# Altium PCB ADCS_PCB.PcbDoc (part 1 of 2)
Units mm, origin at the board's own origin, x right, y up, seen from the top; angles counter-clockwise.
Board outline 95.7 x 90 mm, 4 copper layers (Top Layer, Int1 (GND), Int2 (PWR), Bottom Layer), stack 1.57 mm thick; 108 components, 88 nets, 517 pads, 1075 vias.
Unrouted connection lines stored in the file: 4.
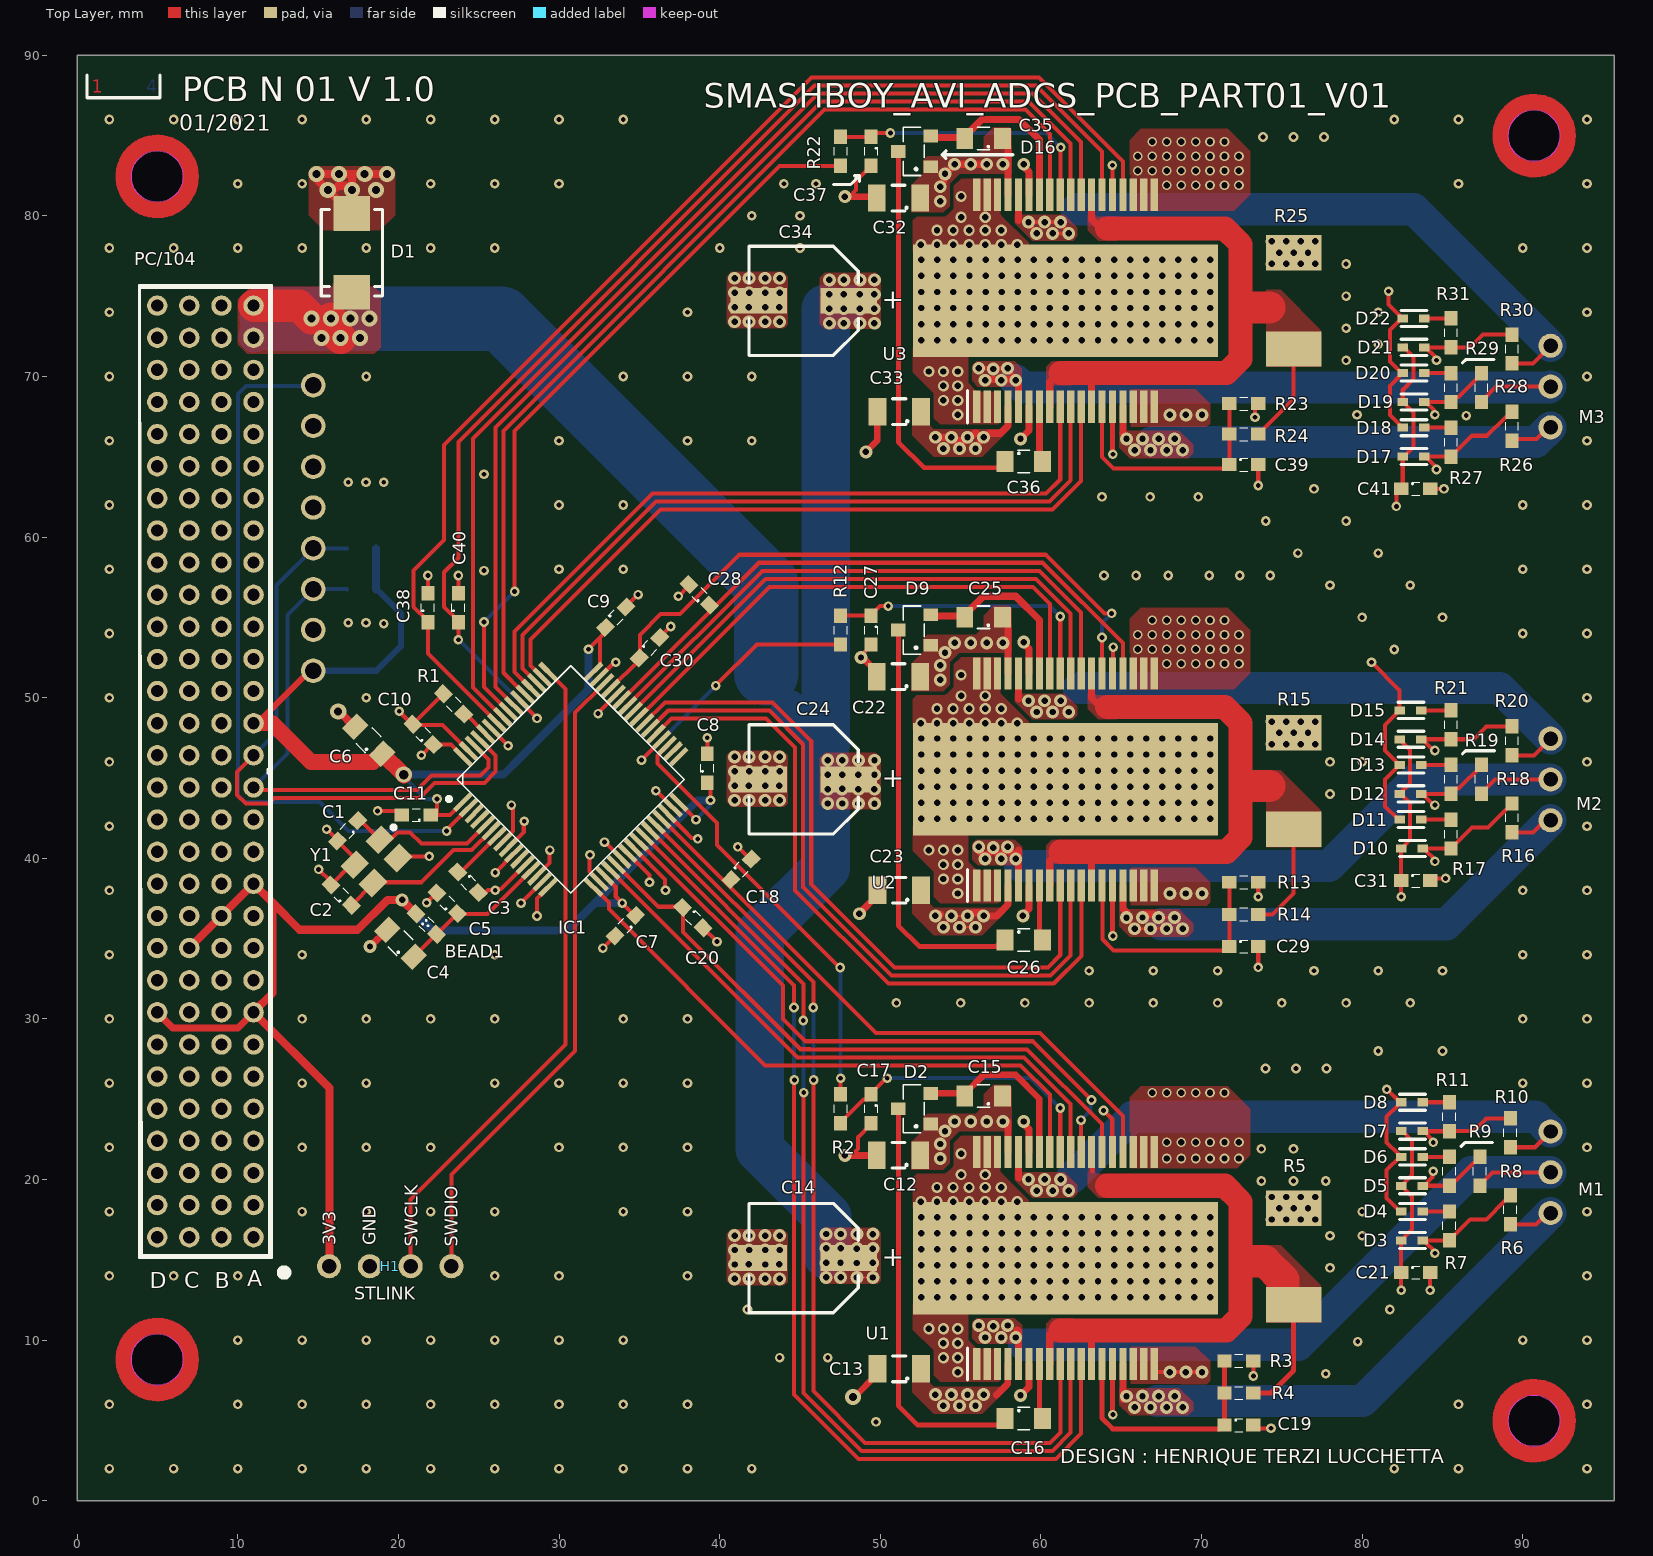
[diagram p0: Top Layer view]
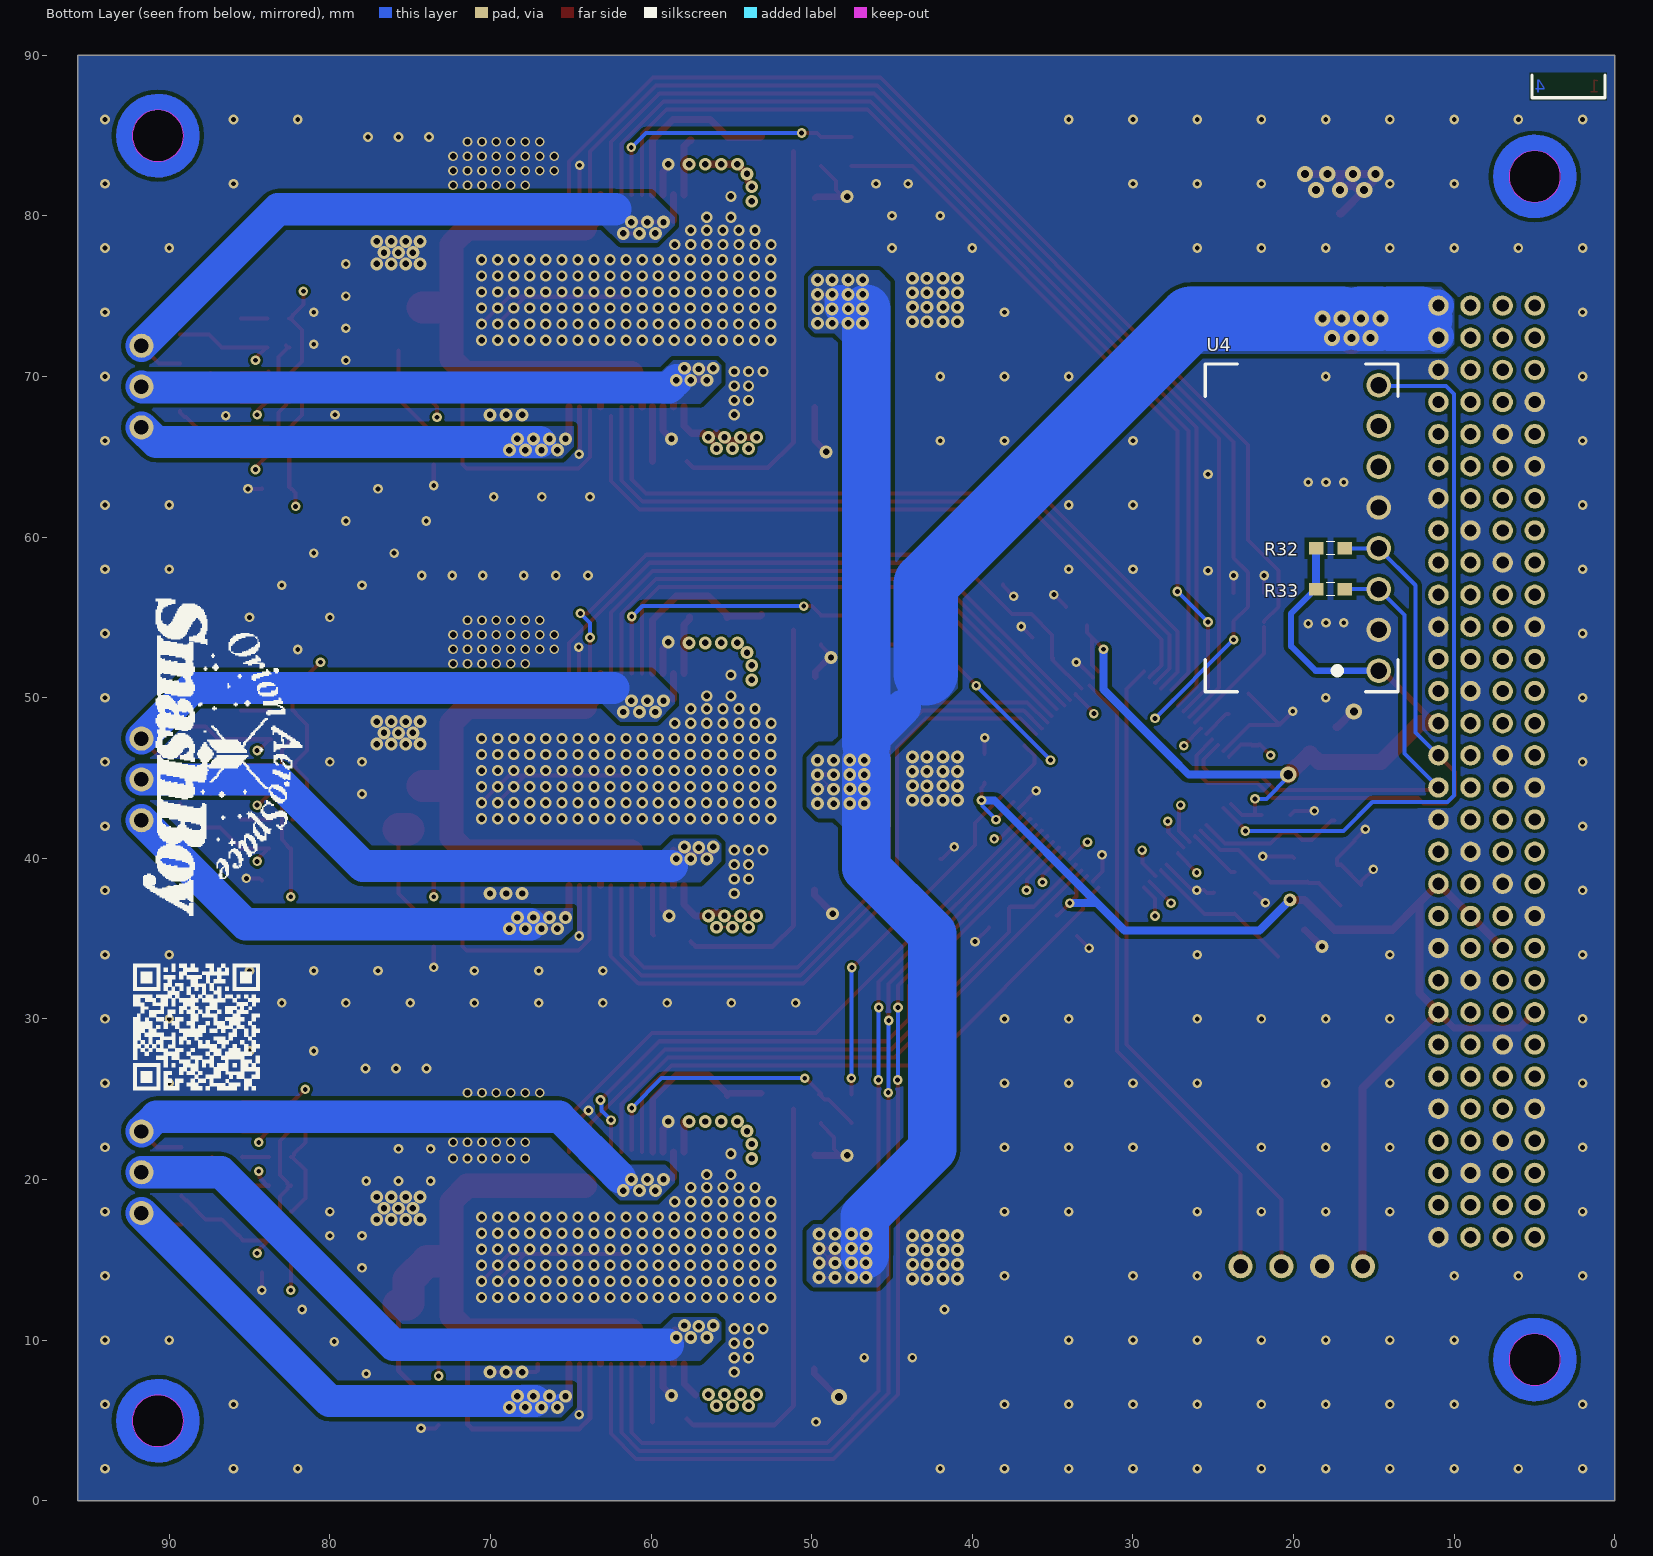
[diagram p1: Bottom Layer view, seen from below]
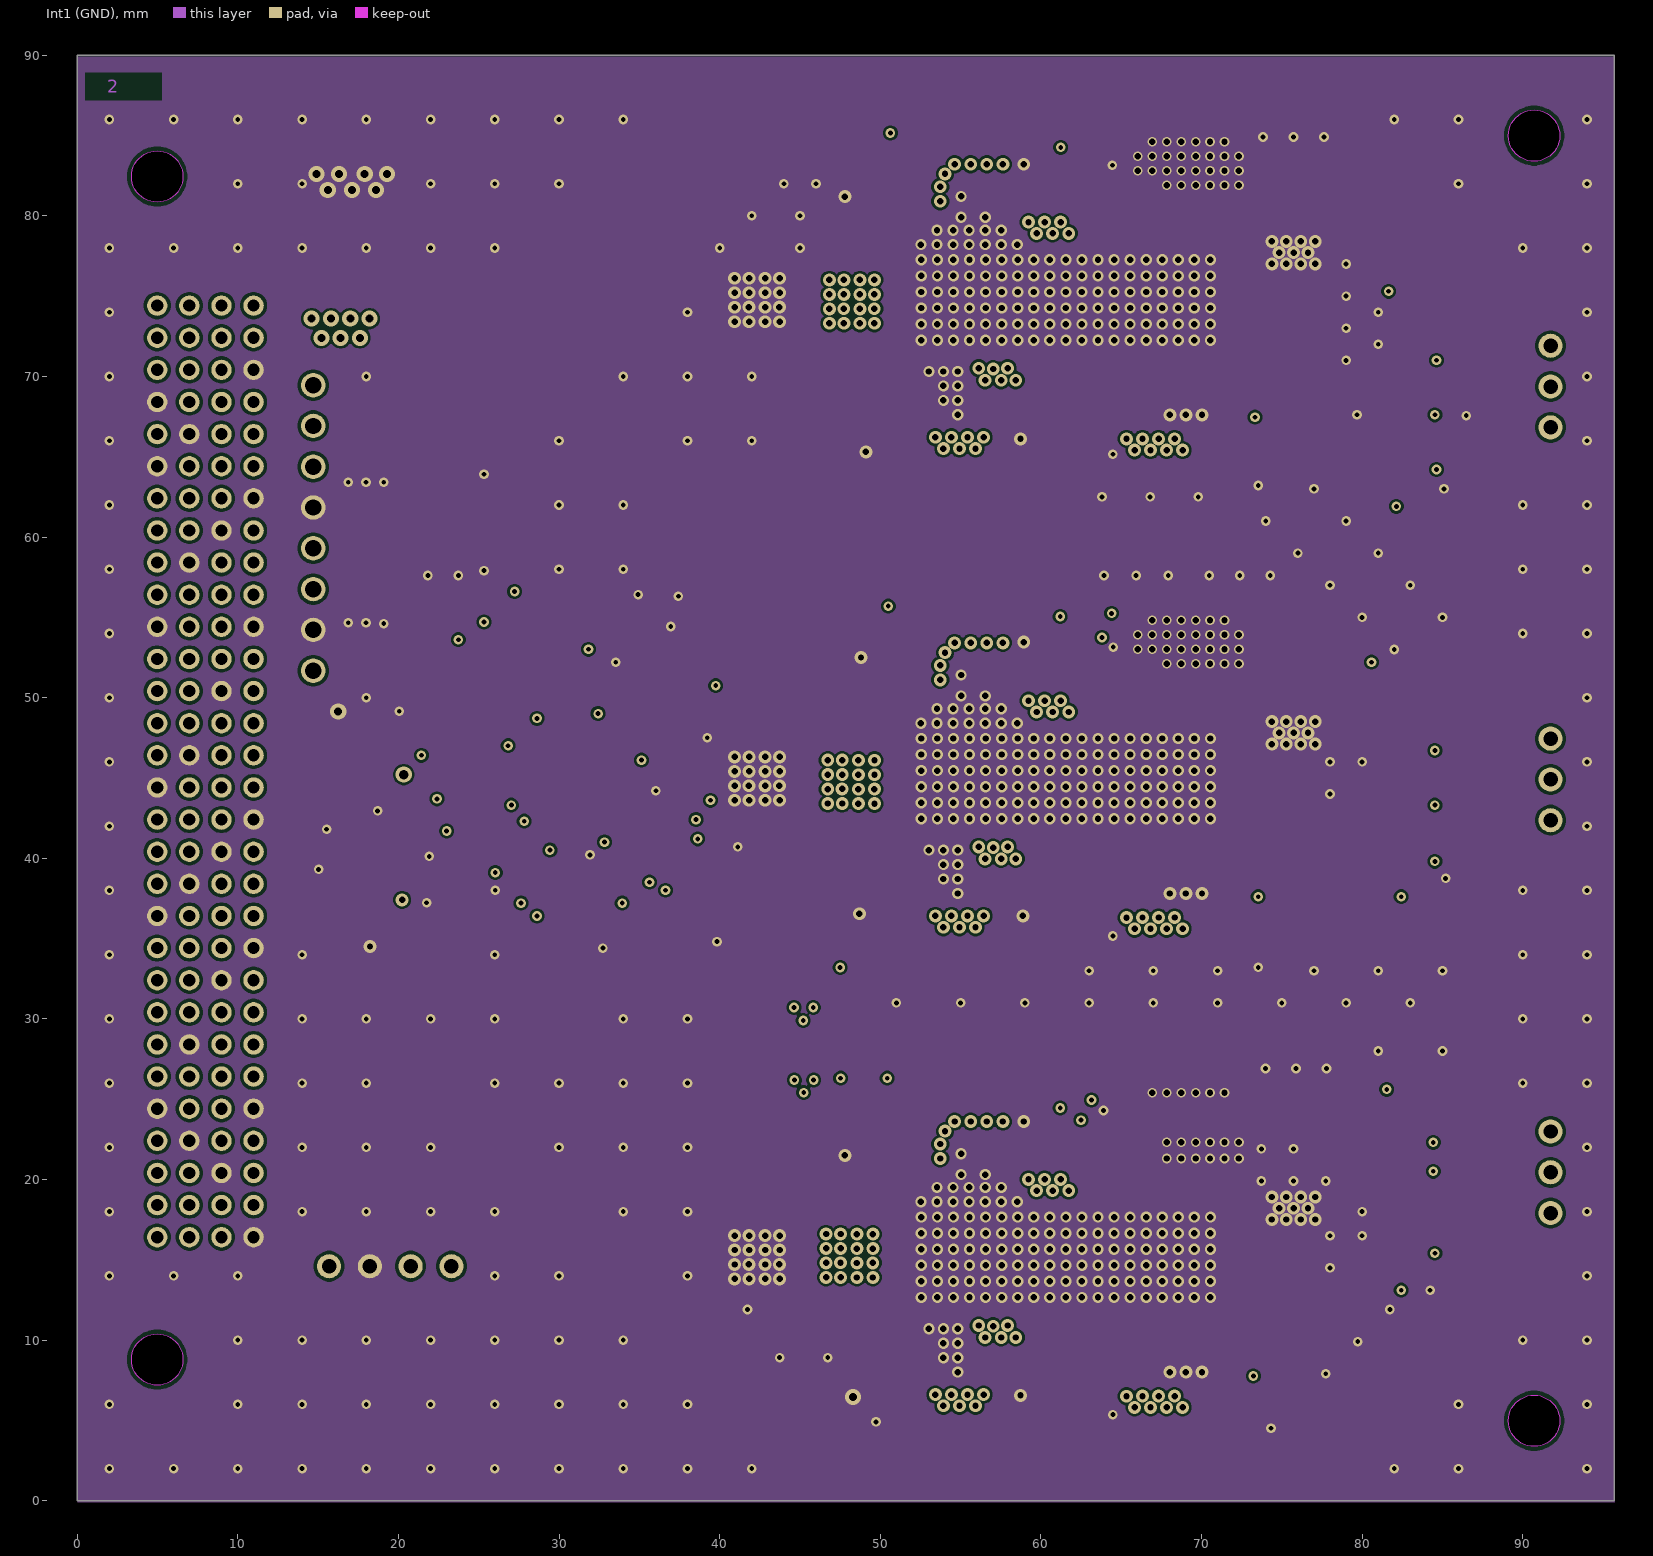
[diagram p2: Int1 (GND)]
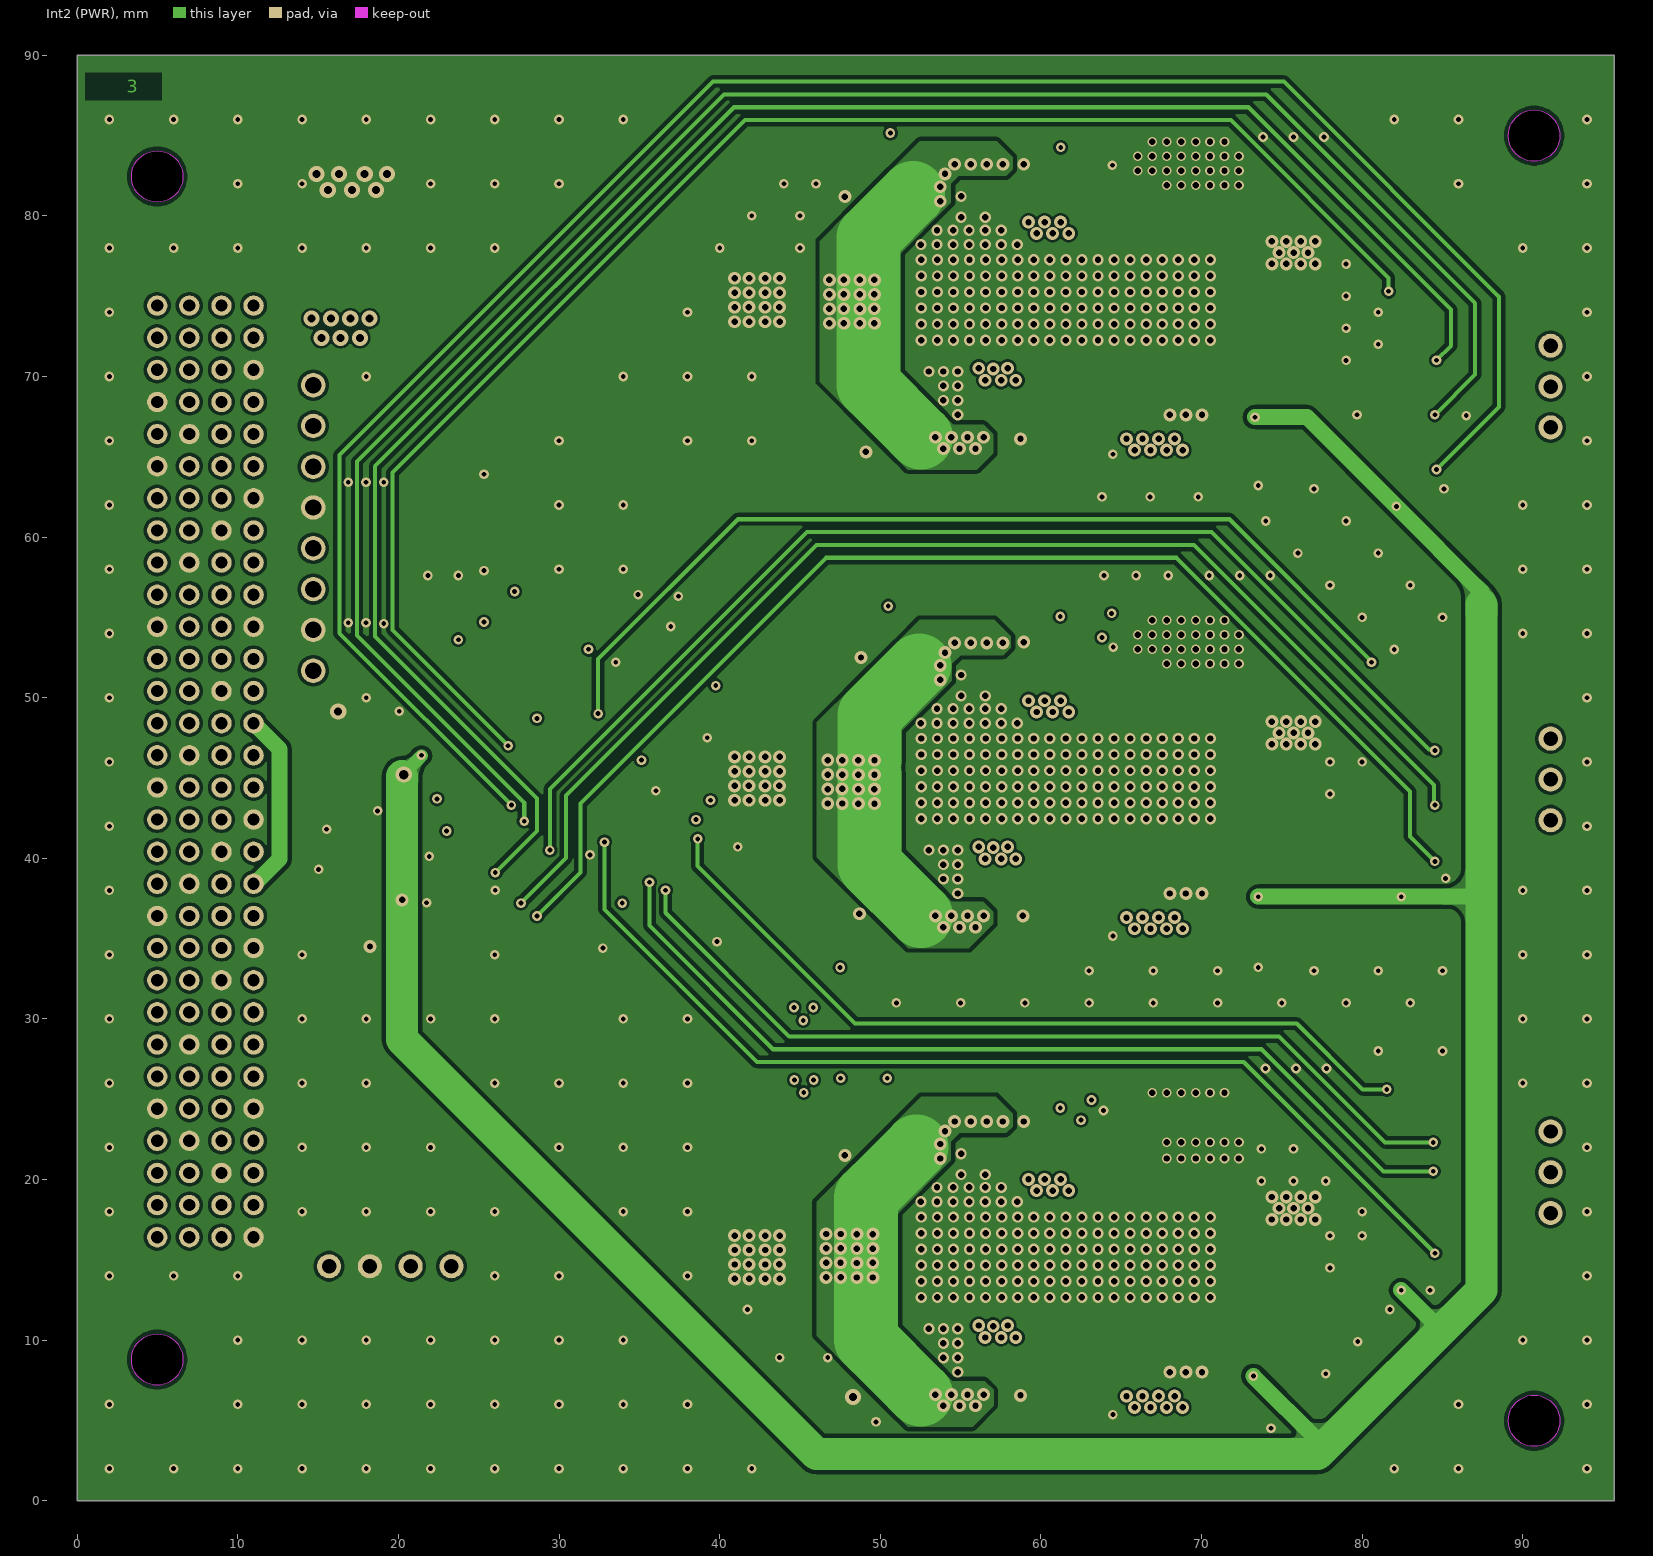
[diagram p3: Int2 (PWR)]

## Layer stack, top to bottom
Top Solder: solder mask 0.01, SM-001, Dk 4
Top Layer: signal copper 0.035
Dielectric 1: prepreg 0.2, PP-017, Dk 4.3
Int1 (GND): signal copper 0.0175
Dielectric 3: core 1.065, Core-039, Dk 4.8
Int2 (PWR): signal copper 0.0175
Dielectric 5: prepreg 0.2, PP-017, Dk 4.3
Bottom Layer: signal copper 0.035
Bottom Solder: solder mask 0.01, SM-001, Dk 4

## Board outline
0,0 95.7,0 95.7,90 0,90
cut-out: 89.11,4.98 cw(c90.71,4.98) 90.71,6.58 cw(c90.71,4.98) 92.31,4.98 cw(c90.71,4.98) 90.71,3.38 cw(c90.71,4.98)
cut-out: 89.11,84.99 cw(c90.71,84.99) 90.71,86.59 cw(c90.71,84.99) 92.31,84.99 cw(c90.71,84.99) 90.71,83.39 cw(c90.71,84.99)
cut-out: 3.38,82.45 cw(c4.98,82.45) 4.98,84.05 cw(c4.98,82.45) 6.58,82.45 cw(c4.98,82.45) 4.98,80.85 cw(c4.98,82.45)
cut-out: 3.38,8.79 cw(c4.98,8.79) 4.98,10.39 cw(c4.98,8.79) 6.58,8.79 cw(c4.98,8.79) 4.98,7.19 cw(c4.98,8.79)

## Design rules (kind name [scope] priority, off if disabled: settings)
Clearance Clearance_Defferents [All] p1: gap=0.254 ignorepadtopadclearanceinfootprint=FALSE except(0.1: Arc-Arc Arc-Track Track-Track; 0.11: Arc-THPad Arc-Via Track-THPad Track-Via; 0.127: SMDPad-SMDPad; 0.15: Via-Poly; 0.2: Arc-SMDPad Track-SMDPad THPad-Poly; 0.3: Via-Via; 0.5: SMDPad-THPad THPad-THPad)
DiffPairsRouting USB_DiffPairsRouting [InDifferentialPairClass('USB')] p1: maxlimit=0.254 minlimit=0.127 mostfreqgap=0.254 toplayer_maxgap=0.127 toplayer_prefgap=0.127 toplayer_minwidth=0.191 toplayer_maxwidth=0.191 toplayer_prefwidth=0.191 midlayer1_minwidth=0.381 midlayer1_maxwidth=0.381 midlayer1_prefwidth=0.381 midlayer2_minwidth=0.381 midlayer2_maxwidth=0.381 midlayer2_prefwidth=0.381 bottomlayer_maxgap=0.127 bottomlayer_prefgap=0.127 bottomlayer_minwidth=0.191 bottomlayer_maxwidth=0.191 bottomlayer_prefwidth=0.191 maxuncoupledlength=12.7
DiffPairsRouting CAN_DiffPairsRouting [InDifferentialPairClass('CAN_BUS')] p2: maxlimit=0.254 minlimit=0.169 mostfreqgap=0.254 toplayer_mingap=0.21 toplayer_maxgap=0.21 toplayer_prefgap=0.21 toplayer_minwidth=0.12 toplayer_maxwidth=0.12 toplayer_prefwidth=0.12 midlayer1_minwidth=0.381 midlayer1_maxwidth=0.381 midlayer1_prefwidth=0.381 midlayer2_minwidth=0.381 midlayer2_maxwidth=0.381 midlayer2_prefwidth=0.381 bottomlayer_mingap=0.21 bottomlayer_maxgap=0.21 bottomlayer_prefgap=0.21 bottomlayer_minwidth=0.12 bottomlayer_maxwidth=0.12 bottomlayer_prefwidth=0.12 maxuncoupledlength=12.7
HoleSize [All] p1: absolutevalues=TRUE maxlimit=6.3 minlimit=0.025 maxpercent=80.000 minpercent=20.000
HoleToHoleClearance [All] p1: gap=0.5 allowstackedmicrovias=TRUE
PlaneConnect [All] p1: planeconnectstyle=Direct reliefexpansion=0.508 reliefentries=4 reliefconductorwidth=0.254 reliefairgap=0.254
PolygonConnect [All] p1: connectstyle=Direct reliefconductorwidth=0.254 reliefentries=4 polygonreliefangle="45 Angle" airgapwidth=0.254
RoutingVias [All] p1: holewidth=0.4 width=0.8 viastyle="Through Hole" minholewidth=0.3 minwidth=0.6 maxholewidth=0.8 maxwidth=1.2
SolderMaskExpansion [All] p1: expansion=0.102 istentingtop=FALSE
Width [All] p1: maxlimit=5 minlimit=0.09 preferedwidth=0.127
26 further rules are at their usual default settings.

## Components (designator, comment, footprint, x,y, rotation, side; value= is the part's Value field where it differs from the comment)
BEAD1 "600R @ 100MHz" IND0603 21.73,35.91 r135 top
C1 "22pF" CAP0603_060 16.83,41.71 r225 top
C2 "22pF" CAP0603_060 16.43,37.71 r135 top
C3 "100nF" CAP0603_060 24.33,38.51 r315 top
C4 "1uF" CAP0805_085 20.13,34.71 r135 top
C5 "10nF" CAP0603_040 23.03,37.21 r135 top
C6 "4.7uF" CAP0805_125 18.15,47.35 r135 top
C7 "100nF" CAP0603_060 34.13,35.81 r225 top
C8 "100nF" CAP0603_060 39.23,45.61 r90 top
C9 "100nF" CAP0603_060 33.53,55.01 r45 top
C10 "100nF" CAP0603_060 21.53,47.71 r135 top
C11 "1uF" CAP0603_090 21.1,42.7 r180 top
C12 "100nF, 100V" CAP1206_090 51.13,21.51 r180 top
C13 "100nF, 100V" CAP1206_090 51.18,8.21 r180 top locked
C14 "100uF, 35V" WCAP-ASLI_6.3x7.7 45.23,15.11 r0 top locked
C15 "220nF, 16V" CAP0805_085 56.43,25.21 r180 top
C16 "100nF, 100V" CAP0805_085 58.93,5.11 r0 top
C17 "100nF, 6.3V" CAP0603_060 49.43,24.41 r270 top
C18 "1nF" CAP0603_060 41.33,39.31 r45 top
C19 "1nF" CAP0603_060 72.33,4.71 r0 top
C20 "1nF" CAP0603_060 38.33,36.31 r315 top
C21 "100nF, 6.3V" CAP0603_060 83.33,14.21 r0 top
C22 "100nF, 100V" CAP1206_090 51.13,51.31 r180 top
C23 "100nF, 100V" CAP1206_090 51.18,38.01 r180 top
C24 "100uF, 35V" WCAP-ASLI_6.3x7.7 45.23,44.91 r0 top locked
C25 "220nF, 16V" CAP0805_085 56.43,55.01 r180 top
C26 "100nF, 100V" CAP0805_085 58.93,34.91 r0 top
C27 "100nF, 6.3V" CAP0603_060 49.43,54.21 r270 top
C28 "1nF" CAP0603_060 38.73,56.41 r135 top
C29 "1nF" CAP0603_060 72.63,34.51 r0 top
C30 "1nF" CAP0603_060 35.63,53.11 r45 top
C31 "100nF, 6.3V" CAP0603_060 83.33,38.61 r0 top
C32 "100nF, 100V" CAP1206_090 51.13,81.11 r180 top
C33 "100nF, 100V" CAP1206_090 51.18,67.81 r180 top
C34 "100uF, 35V" WCAP-ASLI_6.3x7.7 45.23,74.71 r0 top locked
C35 "220nF, 16V" CAP0805_085 56.43,84.81 r180 top
C36 "100nF, 100V" CAP0805_085 58.93,64.71 r0 top
C37 "100nF, 6.3V" CAP0603_060 49.43,84.01 r270 top
C38 "1nF" CAP0603_060 21.83,55.61 r90 top
C39 "1nF" CAP0603_060 72.63,64.51 r0 top
C40 "1nF" CAP0603_060 23.73,55.61 r90 top
C41 "100nF, 6.3V" CAP0603_060 83.33,63.01 r0 top
D1 "SMBJ48A" DO-214AA 17.1,77.7 r90 top
D2 "SMBD 7000" SOT-23 52.13,24.41 r180 top
D3 "BAT30KFILM" SOD-523 83.13,16.21 r0 top
D4 "BAT30KFILM" SOD-523 83.13,18.01 r0 top
D5 "BAT30KFILM" SOD-523 83.13,19.61 r0 top
D6 "BAT30KFILM" SOD-523 83.13,21.41 r0 top
D7 "BAT30KFILM" SOD-523 83.13,23.01 r0 top
D8 "BAT30KFILM" SOD-523 83.13,24.81 r0 top
D9 "SMBD 7000" SOT-23 52.13,54.21 r180 top
D10 "BAT30KFILM" SOD-523 83.13,40.61 r0 top
D11 "BAT30KFILM" SOD-523 83.03,42.41 r0 top
D12 "BAT30KFILM" SOD-523 83.03,44.01 r0 top
D13 "BAT30KFILM" SOD-523 83.03,45.81 r0 top
D14 "BAT30KFILM" SOD-523 83.03,47.41 r0 top
D15 "BAT30KFILM" SOD-523 83.03,49.21 r0 top
D16 "SMBD 7000" SOT-23 52.13,84.01 r180 top
D17 "BAT30KFILM" SOD-523 83.23,65.01 r0 top
D18 "BAT30KFILM" SOD-523 83.23,66.81 r0 top
D19 "BAT30KFILM" SOD-523 83.23,68.41 r0 top
D20 "BAT30KFILM" SOD-523 83.23,70.21 r0 top
D21 "BAT30KFILM" SOD-523 83.23,71.81 r0 top
D22 "BAT30KFILM" SOD-523 83.23,73.61 r0 top
H1 "STLINK" Header-4P-90 19.49,14.6 r0 top
IC1 "STM32F303R8" LQFP-64-10X10X5 30.73,44.91 r45 top locked
M1 "Header 3P" Header-3P 91.73,20.45 r90 top locked
M2 "Header 3P" Header-3P 91.73,44.91 r90 top locked
M3 "Header 3P" Header-3P 91.73,69.37 r90 top locked
PC/104 "1375799-1" 1375799-1 4.98,16.41 r0 top locked
R1 "10k" RES0603 23.43,49.61 r135 top
R2 "33k" RES0603 47.53,24.41 r90 top
R3 "2.2k" RES0603 72.33,8.71 r0 top
R4 "680R" RES0603 72.33,6.71 r180 top
R5 "0.33R 1W" RES2512 75.73,15.21 r270 top
R6 "10k" RES0603 89.23,18.11 r270 top
R7 "2k2" RES0603 85.43,17.11 r90 top
R8 "10k" RES0603 87.33,20.51 r270 top
R9 "2k2" RES0603 85.43,20.51 r90 top
R10 "10k" RES0603 89.23,22.91 r270 top
R11 "2k2" RES0603 85.43,23.91 r90 top
R12 "33k" RES0603 47.53,54.21 r270 top
R13 "2.2k" RES0603 72.63,38.51 r0 top
R14 "680R" RES0603 72.63,36.51 r180 top
R15 "0.33R 1W" RES2512 75.73,44.81 r270 top locked
R16 "10k" RES0603 89.33,42.51 r270 top
R17 "2k2" RES0603 85.53,41.51 r90 top
R18 "10k" RES0603 87.43,44.91 r270 top
R19 "2k2" RES0603 85.53,44.91 r90 top
R20 "10k" RES0603 89.33,47.31 r270 top
R21 "2k2" RES0603 85.53,48.31 r90 top
R22 "33k" RES0603 47.53,84.01 r270 top
R23 "2.2k" RES0603 72.63,68.31 r0 top
R24 "680R" RES0603 72.63,66.41 r180 top
R25 "0.33R 1W" RES2512 75.73,74.71 r270 top
R26 "10k" RES0603 89.33,66.91 r270 top
R27 "2k2" RES0603 85.53,65.91 r90 top
R28 "10k" RES0603 87.43,69.31 r270 top
R29 "2k2" RES0603 85.53,69.31 r90 top
R30 "10k" RES0603 89.33,71.71 r270 top
R31 "2k2" RES0603 85.53,72.71 r90 top
R32 "10k" RES0603 17.7,59.3 r0 bottom
R33 "10k" RES0603 17.7,56.75 r0 bottom
U1 "L6230PD" SOP65P1420X360-37N 61.53,15.11 r90 top locked
U2 "L6230PD" SOP65P1420X360-37N 61.53,44.91 r90 top locked
U3 "L6230PD" SOP65P1420X360-37N 61.53,74.71 r90 top locked
U4 "BNO055 Module" BNO055_M_TH 14.7,51.68 r90 bottom locked
Y1 "16MHz, +/-10ppm" WE-XTAL_CFPX-180 18.63,39.81 r225 top
